# Altium PCB AMP.PcbDoc (part 3 of 5) (continued)
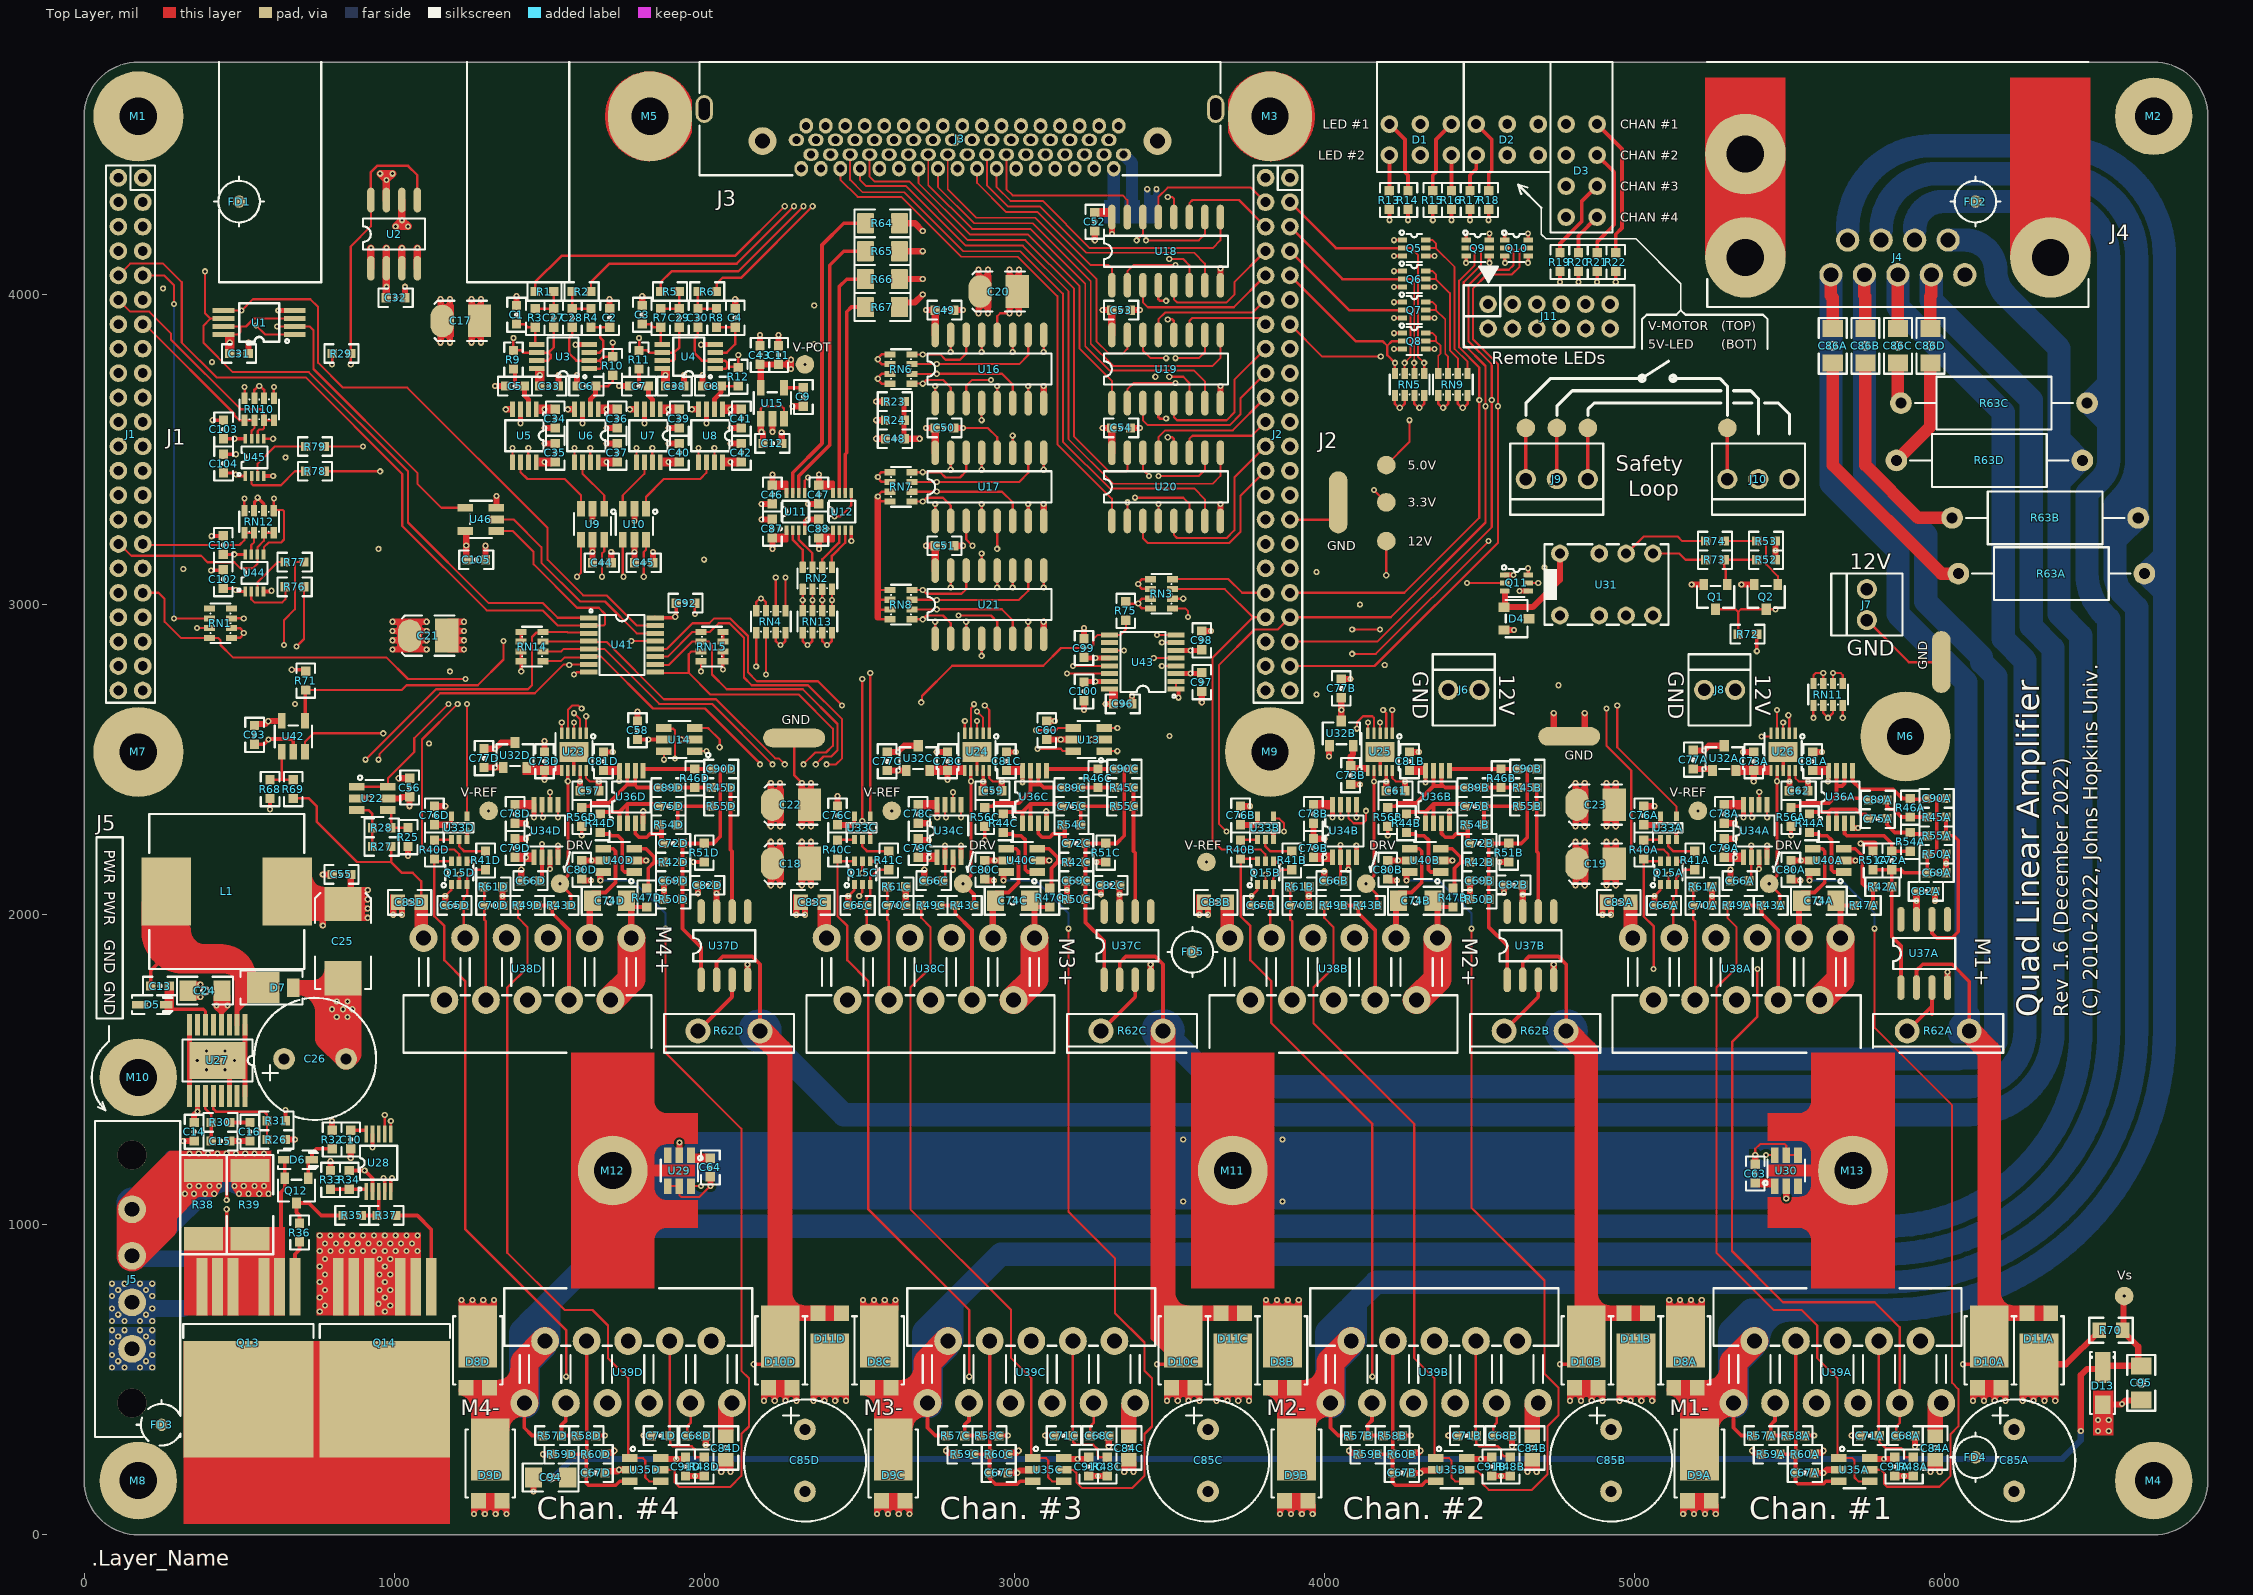
[diagram p0: Top Layer view]
## Nets (pads, with @x,y where several pads share a name; then routed paths per layer and width w, separated by ;. In a path a pad name is that pad's centre, name@x,y a point inside that pad or via, vN(x,y) a via of type N, cw(c..) or ccw(c..) an arc to the next point about the centre after c; other vN are vias at no path point) (continued)
  Top Layer w24: U2.1@925,4085 v1(925,4150) ; U2.3@1025,4085 v1(1025,4150) ; U2.4@1075,4085 v1(1075,4150)
  Top Layer w30: 740,1775 ccw(c740,1825) C25.2@789.73,1819.77
  Top Layer w40: 1820,950 cw(c1880,950) 1880,1010 ; 1820,1120 ccw(c1880,1120) 1880,1060 ; 1820,1220 cw(c1880,1220) 1880,1280 ; 1820,1400 ccw(c1880,1400) 1880,1340 ; 5530,1010 cw(c5530,950) 5590,950 ; 5530,1070 ccw(c5530,1130) 5590,1130 ; 5530,1290 cw(c5530,1230) 5590,1230 ; 5530,1340 ccw(c5530,1400) 5590,1400
  Top Layer w50: D7.2@690,1765 cw(c690,1685) 770,1685
  Top Layer w70: 780,1670 780,1600 C26.2@845,1535 860,1550 860,1670
  MidLayer1 w10: 4455.63,3969.37 J11.1@4528.15,3969.37 4528.15,4041.89
  MidLayer1 w12: 4973.4,2901.65 4973.4,3028.97
  MidLayer1 w20: 3335,3066.5 3638.5,3066.5 3740,2965 ; v1(3501.03,2576.03) 3688.53,2388.53 ccw(c3825,2525) 3961.47,2388.53 4097.94,2525 U25.11@4180,2525
  Bottom Layer w10: 5407.5,1207.15 ccw(c5425,1225) 5450,1225 ccw(c5425,1225) 5407.5,1242.85 ; 1945,1265 ccw(c1920,1265) 1945,1265 ; 2005,1105 cw(c1990,1125) 2005,1145 cw(c2020,1125) 2045,1125 cw(c2020,1125) 2005,1105 ; 2015,1215 ccw(c1990,1215) 2015,1215 ; 5445,1135 ccw(c5420,1135) 5445,1135 ; 5515,1085 ccw(c5490,1085) 5515,1085
  Bottom Layer w20: J5.2@155,750 176.65,750 196.65,730 v1(220,730) ; 3429,4300 3429,4325 ; v1(3429,4340) 3429,4325 ; 3459,4300 v1(3459,4340) ; 3459,4325 cw(c3444,4325) 3429,4325
  Bottom Layer w54: v1(220,730) D12.2@320,730
  other v1: 6495,335 6530,335 6495,370 6530,370 90,540 130,540 180,540 220,540 110,560 200,560 90,580 220,580 90,620 220,620 110,640 200,640 90,660 130,660 180,660 220,660 90,690 130,690 180,690 220,690 110,710 200,710 90,730 90,770 220,770 110,790 200,790 90,810 130,810 180,810 220,810 815,1670 850,1670 800,1695 835,1695 865,1695 815,1720 850,1720 2650,2060 3950,2060 5250,2060 2802.5,2145 5722,2280 1325,2475 2246.49,2870 2333.5,2870 515,2908.5 5455,3175 490,3485 1360,3630 1560,3630 1760,3630 1960,3630 4243.5,3635 3455,3735
HOME1: J3.17 RN6.5 U16.2 | length 963.2
  Top Layer w7: RN6.5@2670.5,3712.76 v1(2705,3712.76) 2717.24,3725 2770,3725 2795,3700 U16.2@2795,3650
  MidLayer1 w6: v1(2705,3712.76) 2665,3752.76 2665,4254.29 J3.17@2817.13,4406.42
HOME2: J3.18 RN6.6 U16.6 | length 1215.3
  Top Layer w7: RN6.6@2670.5,3744.25 2670.62,3744.38 2749.88,3744.38 v1(2750,3744.5) 2960.5,3744.5 2995,3710 U16.6@2995,3650
  MidLayer1 w6: v1(2750,3744.5) 2749.75,3744.25 2725.75,3744.25 2685,3785 2685,4216.38 2848.62,4380 J3.18@2848.62,4451.69
HOME3: J3.51 RN6.7 U16.10 | length 2833.5
  Top Layer w7: RN6.7@2670.5,3775.75 v1(2750,3775.75) 3015.75,3775.75 3045,3805 U16.10@3045,3870
  MidLayer1 w6: v1(2750,3775.75) 2750,3815 2770,3835 3465,3835 3552,3922 3552,4495 ccw(c3462,4495) 3525.64,4558.64 3470.64,4613.64 ccw(c3407,4550) 3407,4640 2874.02,4640 2801.38,4567.36 J3.51@2801.38,4498.94
HOME4: J3.52 RN6.8 U16.14 | length 2523.8
  Top Layer w7: RN6.8@2670.5,3807.24 v1(2705,3807.24) 2761.38,3807.24 2778.62,3790 2825,3790 2845,3810 U16.14@2845,3870
  MidLayer1 w6: v1(2705,3807.24) 2752.76,3855 3460,3855 3540,3935 3540,4495 ccw(c3462,4495) 3517.15,4550.15 3462.15,4605.15 ccw(c3407,4550) 3407,4628 2888,4628 2832.87,4572.87 J3.52@2832.87,4544.21
L1A: J10.1 pad.0@5300,3570 R73.1 U31.5 | length 799.9
  Top Layer w7: U31.5@5060,3165 5145,3165 5165,3145 R73.1@5230,3145
  Top Layer w12: J10.1@5300,3405 pad.0@5300,3570
  MidLayer1 w12: U31.5@5060,3165 5060,3365 5100,3405 J10.1@5300,3405
L1B: J9.1 pad.0@4650,3570 R74.1 U31.6 | length 949.1
  Top Layer w7: U31.6@4960,3165 4960,3170 U31.6@4964.2,3174.2 ; U31.6@4973.4,3165 4975,3165 5030,3220 5140,3220 5155,3205 R74.1@5230,3205
  Top Layer w12: J9.1@4650,3405 pad.0@4650,3570
  MidLayer1 w12: J9.1@4650,3405 4740,3315 4930,3315 4973.4,3271.6 U31.6@4973.4,3166.6 ; U31.6@4973.4,3165 U31.6@4973.4,3166.6 ; U31.6@4975,3165 U31.6@4973.4,3166.6
L2: J9.2 J10.2 pad.0@4750,3570 | length 914.4
  Top Layer w12: J9.2@4750,3405 pad.0@4750,3570
  MidLayer1 w12: J9.2@4750,3405 4810,3345 5000,3345 5120,3465 5340,3465 J10.2@5400,3405
L3: J9.3 J10.3 pad.0@4850,3570 | length 885.4
  Top Layer w12: J9.3@4850,3405 pad.0@4850,3570
  MidLayer1 w12: J9.3@4850,3405 5020,3405 5105,3490 5415,3490 J10.3@5500,3405
LED1-GRN: J2.3 J11.3 Q5.2 RN5.5 | length 1284.3
  Top Layer w6: Q5.2@4252.5,4150 4280,4150 4302,4128 4302,3800.24 v1(4322.24,3780)
  Top Layer w7: RN5.5@4322.24,3745.5 v1(4322.24,3780)
  Top Layer w8: J2.3@3889.37,4298.03 4037.4,4150 Q5.2@4252.5,4150
  MidLayer1 w6: v1(4322.24,3780) 4498.26,3780 4568.26,3850 4568.26,3930.74 J11.3@4606.89,3969.37
LED1-RED: J2.5 J11.4 Q6.2 RN5.6 | length 1169.2
  Top Layer w6: Q6.2@4252.5,4050 4280,4050 4290,4040 v1(4290,3780)
  Top Layer w7: RN5.6@4290,3746.25 v1(4290,3780)
  Top Layer w8: J2.5@3889.37,4219.29 4058.66,4050 Q6.2@4252.5,4050
  MidLayer1 w6: v1(4290,3780) 4310,3760 4515,3760 4605,3850 J11.4@4605,3890
LED2-GRN: J2.7 J11.5 Q7.2 RN5.7 | length 1259.2
  Top Layer w6: Q7.2@4252.5,3950 4270,3950 4278,3942 4278,3798.75 v1(4259.25,3780)
  Top Layer w7: RN5.7@4259.25,3745.5 v1(4259.25,3780)
  Top Layer w8: J2.7@3889.37,4140.55 4079.92,3950 Q7.2@4252.5,3950
  MidLayer1 w6: v1(4259.25,3780) 4299.25,3740 4535,3740 4645,3850 4645,3928.74 J11.5@4685.63,3969.37
LED2-RED: J2.9 J11.6 Q8.2 RN5.8 | length 1140.2
  Top Layer w8: J2.9@3889.37,4061.81 4101.18,3850 4188,3850 4203,3835 ; RN5.8@4227.76,3745.5 v1(4227.76,3780) 4203,3804.76 4203,3835 ; Q8.2@4252.5,3850 4218,3850 4203,3835
  MidLayer1 w6: v1(4227.76,3780) 4287.76,3720 4555.63,3720 4685.63,3850 J11.6@4685.63,3890.63
LIM-H1: J2.17 U16.3 | length 1182.5
  Top Layer w7: U16.3@2845,3650 2845,3705 2865,3725 v1(2925,3725)
  MidLayer1 w6: v1(2925,3725) 2975,3725 3015,3685 3570,3685 3671.22,3786.22 3850,3786.22 J2.17@3889.37,3746.85
LIM-H2: J2.19 U16.5 | length 1049.8
  Top Layer w7: U16.5@2945,3650 v1(2945,3705)
  MidLayer1 w6: v1(2945,3705) 2985,3665 3080,3665 3115,3665 3670,3665 3712.48,3707.48 3850,3707.48 J2.19@3889.37,3668.11
LIM-H3: J2.21 U16.11 | length 1246.3
  Top Layer w7: v1(2995,3815) U16.11@2995,3870
  MidLayer1 w6: v1(2995,3815) 2975,3815 2905,3745 2905,3705 2965,3645 3680,3645 3696.26,3628.74 3850,3628.74 J2.21@3889.37,3589.37
LIM-H4: J2.23 U16.13 | length 1252.8
  Top Layer w7: v1(2895,3815) U16.13@2895,3870
  MidLayer1 w6: v1(2895,3815) 2895,3765 2890,3760 2890,3695 2960,3625 3635,3625 3710,3550 3850,3550 J2.23@3889.37,3510.63
LIM-N1: J2.25 U17.11 | length 996.2
  Top Layer w7: U17.11@2995,3490 v1(2995,3545)
  MidLayer1 w6: v1(2995,3545) 3455,3545 3528.74,3471.26 3850,3471.26 J2.25@3889.37,3431.89
LIM-N2: J2.28 U17.13 | length 1021.1
  Top Layer w7: v1(2895,3435) U17.13@2895,3490
  MidLayer1 w6: v1(2895,3435) 2915,3455 3708.78,3455 J2.28@3810.63,3353.15
LIM-N3: J2.27 U21.5 | length 1590.2
  Top Layer w7: v1(2820,2965) 2925,2965 2945,2945 U21.5@2945,2890
  MidLayer1 w6: v1(2820,2965) 2820,3150 2800,3170 2800,3210 2830,3240 3726.72,3240 3800.5,3313.78 3850,3313.78 J2.27@3889.37,3353.15
LIM-N4: J2.30 U21.3 | length 1348.9
  Top Layer w7: U21.3@2845,2890 v1(2845,2945)
  MidLayer1 w6: v1(2845,2945) 2845,3150 2815,3180 2815,3200 2835,3220 3748.03,3220 3802.44,3274.41 J2.30@3810.63,3274.41
LIM-P1: J2.31 U17.3 | length 1147.6
  Top Layer w7: U17.3@2845,3270 2845,3210 v1(2865,3190)
  MidLayer1 w6: v1(2865,3190) 2925,3190 2935,3200 3760,3200 3795.04,3235.04 3850,3235.04 J2.31@3889.37,3195.67
LIM-P2: J2.32 U17.5 | length 962.1
  Top Layer w7: v1(2945,3180) U17.5@2945,3270
  MidLayer1 w6: v1(2945,3180) 3764.33,3180 3780,3195.67 J2.32@3810.63,3195.67
LIM-P3: J2.33 U21.13 | length 1069.3
  Top Layer w7: U21.13@2895,3110 v1(2895,3165)
  MidLayer1 w6: v1(2895,3165) 2921.3,3165 2930,3156.3 3850,3156.3 J2.33@3889.37,3116.93
LIM-P4: J2.34 U21.11 | length 896.3
  Top Layer w7: v1(2995,3055) U21.11@2995,3110
  MidLayer1 w6: v1(2995,3055) 3056.93,3116.93 J2.34@3810.63,3116.93
MISO1: J1.3 U1.2 U46.4 | length 1551.7
  Top Layer w7: v1(622.2,3897.2) U1.2@680,3897.2 727.8,3897.2 740,3885 740,3760 1075,3425 1075,3390 1152.5,3312.5 U46.4@1230,3312.5
  MidLayer1 w6: J1.3@189.37,4298.03 236.97,4298.03 622.2,3912.8 v1(622.2,3897.2)
MISO-C1: U13.3 U34A.6 | length 2399
  Top Layer w7: U13.3@3290,2602.5 v1(3332.5,2602.5) ; U34A.6@5402.8,2355 v1(5402.8,2396)
  MidLayer1 w6: v1(3332.5,2602.5) 3332.5,2567.5 3663,2237 3888.8,2237 4008.8,2357 4252,2357 4300,2405 5365,2405 5374,2396 v1(5402.8,2396)
MISO-C1/3: J1.27 U13.4 | length 3363.3
  Top Layer w7: v1(3070,2595) 3135,2595 3142.5,2602.5 U13.4@3190,2602.5
  MidLayer1 w6: J1.27@189.37,3353.15 356.85,3353.15 1119,2591 1510.97,2591 1516.97,2585 1780,2585 1830,2635 2400,2635 2425,2610 2825,2610 2845,2590 2975,2590 2980,2595 v1(3070,2595)
MISO-C2: U13.1 U34B.6 | length 1165.4
  Top Layer w7: U13.1@3290,2527.5 v1(3332.5,2527.5) ; U34B.6@4077.8,2355 4077.8,2312.2 4095,2295 4125,2295 4135,2305 v1(4135,2335)
  MidLayer1 w6: v1(3332.5,2527.5) 3352.5,2527.5 3655,2225 3893.77,2225 4013.77,2345 4125,2345 v1(4135,2335)
MISO-C2/3: J1.28 U13.6 | length 3460.3
  Top Layer w7: v1(3075,2535) 3150,2535 3157.5,2527.5 U13.6@3190,2527.5
  MidLayer1 w6: J1.28@110.63,3353.15 150,3313.78 369.25,3313.78 1104.03,2579 1506,2579 1512,2573 1788,2573 1835,2620 2395,2620 2420,2595 2820,2595 2840,2575 3035,2575 v1(3075,2535)
MISO-C3: U14.3 U34C.6 | length 973.4
  Top Layer w7: U14.3@1970,2602.5 2012.5,2602.5 2014.98,2600.02 2050,2565 v1(2050,2540) ; U34C.6@2802.8,2355 v1(2802.8,2395)
  MidLayer1 w6: v1(2050,2540) 2415,2540 2560,2395 v1(2802.8,2395)
MISO-C3/3: J1.29 U14.4 | length 2176.9
  Top Layer w7: U14.4@1870,2602.5 1872.5,2600 1900,2600 1906,2594 v1(1906,2503.38)
  MidLayer1 w6: J1.29@189.37,3274.41 330.59,3274.41 1089,2516 1559,2516 1569,2506 1821,2506 1834,2519 1890.38,2519 v1(1906,2503.38)
MISO-C4: U14.1 U34D.6 | length 657.6
  Top Layer w7: U34D.6@1502.8,2355 v1(1502.8,2395) ; U14.1@1970,2527.5 v1(2007.5,2527.5)
  MidLayer1 w6: v1(1502.8,2395) 1910,2395 2007.5,2492.5 v1(2007.5,2527.5)
MISO-C4/3: J1.30 U14.6 | length 2112.6
  Top Layer w7: v1(1870,2500) U14.6@1870,2527.5
  MidLayer1 w6: J1.30@110.63,3274.41 150,3235.04 344.96,3235.04 1086,2494 1834,2494 1840,2500 v1(1870,2500)
MISO-P1: J1.18 U9.4 | length 1876.6
  Top Layer w7: v1(1590,3090) 1602.5,3102.5 U9.4@1602.5,3210
  MidLayer1 w6: J1.18@110.63,3746.85 150,3707.48 272.52,3707.48 330,3650 590,3650 1150,3090 v1(1590,3090)
MISO-P2: J1.17 U10.4 | length 1959.3
  Top Layer w7: v1@1737.5,3090 U10.4@1737.5,3210
  MidLayer1 w6: J1.17@189.37,3746.85 268.15,3746.85 350,3665 605,3665 1160,3110 1605,3110 1645,3070 1720,3070 v1(1740,3090)
MISO-P3: J1.16 U9.6 | length 1987.2
  Top Layer w7: v1(1670,3090) 1670,3165 1677.5,3172.5 U9.6@1677.5,3210
  MidLayer1 w6: J1.16@110.63,3825.59 150,3786.22 263.78,3786.22 370,3680 620,3680 1170,3130 1630,3130 v1(1670,3090)
MISO-P4: J1.15 U10.6 | length 2043.4
  Top Layer w7: v1(1805,3090) 1805,3170 1812.5,3177.5 U10.6@1812.5,3210
  MidLayer1 w6: J1.15@189.37,3825.59 259.41,3825.59 330,3755 595,3755 1200,3150 1745,3150 v1(1805,3090)
MOSI: J1.23 R75.1 U23.2 U43.9 | length 3789.3
  Top Layer w7: v1(1580,2650) 1599.69,2630.32 U23.2@1599.69,2585 ; v1(2700,2685) 2702.49,2687.49 2702.49,2705.49 2800,2803 3093.88,2803 3150.88,2860 3245,2860 3255,2870 3255,2888.4 3269.1,2902.5 U43.9@3307.75,2902.5 3342.5,2902.5 3360,2920 R75.1@3360,2950
  MidLayer1 w6: J1.23@189.37,3510.63 294.37,3510.63 1145,2660 1570,2660 v1(1580,2650)
  MidLayer1 w7: v1(1580,2650) 1580,2680 1595,2695 2686.48,2695 2696.48,2685 v1(2700,2685)
MOSI1: J1.4 U1.5 U41.15 | length 2576.5
  Top Layer w7: U1.5@450,3948.39 v1(507.8,3948.39) 544.41,3985 730,3985 755,3960 755,3780 835,3700 1042.5,3700 1495,3247.5 1495,3145 1610,3030 1685,3030 1782.5,2932.5 U41.15@1842.25,2932.5
  MidLayer1 w6: J1.4@110.63,4298.03 150,4258.66 241.34,4258.66 507.8,3992.2 v1(507.8,3948.39)
MOSI-1/2: U25.1 U26.2 | length 1442.3
  Top Layer w7: U25.1@4219.37,2585 v1(4219.37,2660) ; v1(5496.57,2643.43) 5496.57,2639.92 5499.68,2636.8 U26.2@5499.68,2585
  MidLayer1 w6: v1(4219.37,2660) 4264.37,2615 5440,2615 5466,2641 5494.13,2641 v1(5496.57,2643.43)
MOSI-2/3: U24.1 U25.2 | length 1703.8
  Top Layer w7: v1(2905,2675) 2919.37,2660.63 U24.1@2919.37,2585 ; v1(4190,2660) 4199.68,2650.32 U25.2@4199.68,2585
  MidLayer1 w6: v1(2905,2675) 2925,2675 3140,2890 3255.36,2890 3286.86,2921.5 3526.35,2921.5 3590,2857.85 3590,2815 3732.5,2672.5 4027.5,2672.5 4037.5,2682.5 4167.5,2682.5 v1(4190,2660)
MOSI-3/4: U23.1 U24.2 | length 1424.4
  Top Layer w7: U23.1@1619.37,2585 v1(1619.37,2640) ; v1(2880,2655) 2899.68,2635.32 U24.2@2899.68,2585
  MidLayer1 w6: v1(1619.37,2640) 1659.37,2680 2410,2680 2437.5,2652.5 2812.5,2652.5 2817,2657 2878,2657 v1(2880,2655)
MOTOR1: C86A.1 D10A.3 D11A.1 D11A.2 J4.1 R58A.1 R62A.1 U37A.2 | length 7856.4
  Top Layer w12: R58A.1@5550,320 v1(5580,320) ; U37A.2@5910,1765 5910,1820 5930,1840 6025,1840 6080,1785 R62A.1@6080,1600 ; v1(6060,550) D10A.3@6120,550
  Top Layer w40: J4.1@5634,4048 5634,3996 5640,3990 C86A.1@5640,3890 ; 6162.5,780 ccw(c6222.5,780) 6222.5,720
  Top Layer w75: R62A.1@6080,1625 6145,1560 D10A.3@6145,640
  MidLayer1 w12: v1(5580,320) 5605,345 6010,345 6060,395 v1(6060,550)
  MidLayer1 w75: J4.1@5634,4064 5634,3511 5850,3295 5850,2970 6080,2740 R62A.1@6080,1625
  Bottom Layer w40: R62A.1@6080,1604.66 6034.32,1604.66 cw(c6080,1625) 6078.09,1674.96 cw(c6080,1625) 6080,1675
  Bottom Layer w75: J4.1@5634,4064 5634,3391 5850,3175 5850,2970 6070,2750 6070,1685 6078.09,1676.91 6078.09,1674.96 6078.09,1626.91 R62A.1@6080,1625
MOTOR2: C86B.1 D10B.3 D11B.1 D11B.2 J4.2 R58B.1 R62B.1 U37B.2 | length 10953.6
  Top Layer w12: R58B.1@4250,320 v1(4280,320) ; U37B.2@4640,1790 4640,1845 4660,1865 4755,1865 4780,1840 R62B.1@4780,1625 ; v1(4760,550) D10B.3@4820,550
  Top Layer w40: 4862.5,780 ccw(c4922.5,780) 4922.5,720 ; J4.2@5742,4048 5742,3998 5745,3995 C86B.1@5745,3890
  Top Layer w75: R62B.1@4780,1625 4845,1560 D10B.3@4845,640
  MidLayer1 w12: v1(4280,320) 4305,345 4710,345 4760,395 v1(4760,550)
  MidLayer1 w75: R62B.1@4780,1625 4870,1535 6080,1535 ccw(c6080,1625) 6170,1625 6170,2780 5940,3010 5940,3740 5742,3938 J4.2@5742,4064
  Bottom Layer w40: 4815.36,1589.64 cw(c4780,1625) 4830,1625 cw(c4780,1625) 4815.36,1589.64
  Bottom Layer w75: R62B.1@4780,1625 4815.36,1589.64 4870,1535 6044.38,1535 ; J4.2@5742,4064 5742,3423 5940,3225 5940,3010 6120,2830 6120,2814.55 6166,2768.55 6166,1589.38 6115.62,1539 6044.38,1539
MOTOR3: C86C.1 D10C.3 D11C.1 D11C.2 J4.3 R58C.1 R62C.1 U37C.2 | length 13930.7
  Top Layer w12: R58C.1@2950,320 v1(2980,320) ; U37C.2@3340,1790 3340,1845 3360,1865 3455,1865 3480,1840 R62C.1@3480,1625 ; v1(3460,550) D10C.3@3520,550
  Top Layer w20: 3450,635 D10C.3@3495,590 ; 3465,645 D10C.3@3510,600
  Top Layer w40: 3500,780 ccw(c3560,780) D10C.3@3560,720 ; C86C.1@5850,3890 J4.3@5850,4048
  Top Layer w80: 3480,705 R62C.1@3480,1625
  MidLayer1 w12: v1(2980,320) 3005,345 3410,345 3460,395 v1(3460,550)
  MidLayer1 w75: R62C.1@3480,1625 3660,1445 6080,1445 ccw(c6080,1625) 6260,1625 6260,2820 6190,2890 6190,3620 5850,3960 J4.3@5850,4064
  Bottom Layer w40: 3515.36,1589.64 cw(c3480,1625) 3530,1625 cw(c3480,1625) 3515.36,1589.64
  Bottom Layer w75: R62C.1@3480,1625 3515.36,1589.64 3660,1445 6080,1445 ccw(c6080,1625) 6260,1625 6260,2820 6190,2890 6190,3620 5850,3960 J4.3@5850,4064
MOTOR4: C86D.1 D10D.3 D11D.1 D11D.2 J4.4 R58D.1 R62D.1 U37D.2 | length 16838.9
  Top Layer w12: R58D.1@1650,320 v1(1680,320) ; U37D.2@2040,1790 2040,1845 2060,1865 2155,1865 2180,1840 R62D.1@2180,1625 ; v1(2160,550) D10D.3@2220,550
  Top Layer w40: 2265,780 ccw(c2325,780) 2325,720 ; C86D.1@5955,3890 5955,3995 5958,3998 J4.4@5958,4048
  Top Layer w80: R62D.1@2180,1625 2245,1560 D10D.3@2245,640
  MidLayer1 w12: v1(1680,320) 1705,345 2110,345 2160,395 v1(2160,550)
  MidLayer1 w75: R62D.1@2180,1625 2450,1355 6080,1355 ccw(c6080,1625) 6350,1625 6350,2860 6280,2930 6280,3660 5958,3982 J4.4@5958,4064
  Bottom Layer w40: 2215.36,1589.64 cw(c2180,1625) 2230,1625 cw(c2180,1625) 2215.36,1589.64
  Bottom Layer w75: R62D.1@2180,1625 2215.36,1589.64 2450,1355 6080,1355 ccw(c6080,1625) 6350,1625 6350,2860 6280,2930 6280,3660 5958,3982 J4.4@5958,4064
MV-FB: R71.2 U41.13 U42.4 | length 1328.4
  Top Layer w7: R71.2@715,2725 1025,2725 1040,2740 1269.5,2740 1352.5,2823 v1(1352.5,2882.5) ; v1(1765,2882.5) U41.13@1842.25,2882.5
  Top Layer w12: U42.4@712.5,2625 713.75,2626.25 713.75,2723.75 R71.2@715,2725
  MidLayer1 w7: v1(1352.5,2882.5) v1(1765,2882.5)
MV-GOOD: J2.13 J11.2 Q11.2 RN4.1 U22.1 U22.6 | length 5788.9
  Top Layer w7: U22.1@880,2412.5 U22.6@980,2412.5 980,2440 1065,2525 1065,2569.04 1175,2679.04 v1(1175,2680) ; v1(2167.76,2800.75) RN4.1@2167.76,2909.5 ; J2.13@3889.37,3904.33 3993.7,3800 v1(4182.24,3800) ; v1(4460,3070) Q11.2@4582.5,3070
  MidLayer1 w6: v1(1175,2680) 1175,2750 1210,2785 1270,2785 1303,2752 2119.01,2752 v1(2167.76,2800.75) 2182.01,2815 2808.03,2815 3097.96,3104.93 3730.07,3104.93 3757.44,3077.56 3930,3077.56 3940,3087.56 ; J2.13@3889.37,3904.33 3940,3853.7 3940,3087.56 ; v1(4182.24,3800) 4437.52,3800 J11.2@4528.15,3890.63 ; v1(4460,3070) 3957.56,3070 3940,3087.56
NEGLIM1: J3.11 RN7.7 U17.10 | length 1549.2
  Top Layer w7: RN7.7@2670.5,3395.75 v1(2750,3395.75) 3015.75,3395.75 3045,3425 U17.10@3045,3490
  MidLayer1 w6: J3.11@2628.15,4406.42 2628.15,4330 2620,4321.85 2620,3475 2699.25,3395.75 v1(2750,3395.75)
NEGLIM2: J3.12 RN7.8 U17.14 | length 1305.3
  Top Layer w7: RN7.8@2670.5,3427.24 v1(2705,3427.24) 2761.38,3427.24 2778.62,3410 2825,3410 2845,3430 U17.14@2845,3490
  MidLayer1 w6: J3.12@2659.65,4451.69 2659.65,4320 2645,4305.35 2645,3487.24 v1(2705,3427.24)
NEGLIM3: J3.45 RN8.6 U21.6 | length 2959.3
  Top Layer w7: RN8.6@2670.5,2984.25 2670.87,2984.63 2749.63,2984.63 v1(2750,2985) 2960,2985 2995,2950 U21.6@2995,2890
  MidLayer1 w6: J3.45@2612.4,4498.94 2612.4,4582.4 2542.8,4652 2219,4652 ccw(c2219,4526) 2129.9,4615.1 2098.9,4584.1 ccw(c2188,4495) 2062,4495 2062,4333 2420,3975 2420,3335 2670,3085 2670,3035 2720,2985 v1(2750,2985)
NEGLIM4: J3.46 RN8.5 U21.2 | length 2765.9
  Top Layer w7: RN8.5@2670.5,2952.76 v1(2705,2952.76) 2717.24,2965 2770,2965 2795,2940 U21.2@2795,2890
  MidLayer1 w6: J3.46@2643.9,4544.21 2643.9,4586.1 2566,4664 2219,4664 ccw(c2219,4526) 2121.42,4623.58 2090.42,4592.58 ccw(c2188,4495) 2050,4495 2049.99,4325 2405,3969.99 2405,3330 2655,3080 2655,3002.76 v1(2705,2952.76) v1@2702.24,2952.76
NetC1_1: C1.1 R3.2 U3.5 | length 120.8
  Top Layer w8: C1.1@1395,3905 1420,3905 1430,3895 R3.2@1455,3895 U3.5@1455,3838.39
NetC2_1: C2.1 R4.2 U3.3 | length 184.2
  Top Layer w8: U3.3@1630,3812.8 1662.8,3812.8 1675,3825 1675,3850 1665,3860 1665,3895 ; R4.2@1635,3895 1665,3895 ; C2.1@1695,3895 1665,3895
NetC3_1: C3.1 R7.2 U4.5 | length 120.8
  Top Layer w8: C3.1@1800,3905 1825,3905 1835,3895 R7.2@1860,3895 U4.5@1860,3838.39
NetC4_1: C4.1 R8.2 U4.3 | length 191.3
  Top Layer w8: U4.3@2035,3812.8 2072.8,3812.8 2100,3840 C4.1@2100,3895 R8.2@2040,3895
NetC9_1: C9.1 U15.4 | length 57.5
  Top Layer w12: U15.4@2257.5,3700 C9.1@2315,3700
NetC10_1: C10.1 U28.10 | length 50
  Top Layer w12: C10.1@860,1305 U28.10@910,1305
NetC13_1: C13.1 D5.1 U27.6 | length 152.7
  Top Layer w10: 285,1695 385,1695 391.61,1688.39 U27.6@391.61,1645
NetC13_2: C13.2 D7.1 L1.1 U27.2 | length 1276.5
  Top Layer w12: C13.2@215,1770 215,1820 260,1865 265,1870
  Top Layer w16: U27.2@493.98,1645 493.98,1692.2 ; 493.98,1800 493.98,1692.2 ; 519.57,1765 519.57,1717.8 ; D7.1@534.57,1780 534.57,1732.8 519.57,1717.8 ; 493.98,1692.2 519.57,1717.8
  Top Layer w20: 505,1710 505,1765
  Top Layer w40: 456,1830 cw(c456,1780) 506,1780
  Top Layer w70: L1.1@220,2035 220,1945 ccw(c320,1945) 260,1865 ccw(c320,1945) 320,1845 485,1845 ; 310,1950 ccw(c390,1950) 390,1870 442,1870 cw(c442,1790) 522,1790
NetC15_1: C15.1 R30.2 U27.11 | length 152.6
  Top Layer w8: U27.11@391.61,1415 391.61,1373.39 410,1355 R30.2@410,1330
  Top Layer w12: C15.1@410,1270 R30.2@410,1330
NetC16_1: C16.1 R30.1 | length 65
  Top Layer w12: R30.1@470,1330 C16.1@535,1330
NetC27_1: C27.1 R1.2 R3.1 | length 110
  Top Layer w8: R3.1@1455,3955 C27.1@1515,3955 R1.2@1515,4005
NetC27_2: C27.2 pad.0@1385,3860 R9.1 U3.6 U3.7 | length 314.1
  Top Layer w8: pad.0@1385,3860 R9.1@1385,3820 1410,3820 1417.2,3812.8 U3.6@1460,3812.8 1497.8,3812.8 ; U3.7@1460,3787.2 1497.2,3787.2 1505,3795 1505,3805.59 1497.8,3812.8 ; C27.2@1515,3895 1515,3830 1497.8,3812.8
NetC28_1: C28.1 R2.2 R4.1 | length 110
  Top Layer w8: R2.2@1575,4005 C28.1@1575,3955 R4.1@1635,3955
NetC28_2: C28.2 pad.0@1705,3845 R10.1 U3.1 U3.2 | length 359.5
  Top Layer w8: C28.2@1575,3895 1575,3870 1565,3860 1565,3810 1587.8,3787.2 U3.2@1630,3787.2 1662.8,3787.2 ; U3.1@1630,3761.61 1665,3761.61 1670,3766.61 1670,3780 1662.8,3787.2 ; R10.1@1705,3795 R10.1@1705,3800 ; pad.0@1705,3845 R10.1@1705,3800 ; 1662.8,3787.2 1675.59,3800 R10.1@1705,3800
NetC29_1: C29.1 R5.2 R7.1 | length 110
  Top Layer w8: R7.1@1860,3955 C29.1@1920,3955 R5.2@1920,4005
NetC29_2: C29.2 pad.0@1790,3860 R11.1 U4.6 U4.7 | length 310.8
  Top Layer w8: pad.0@1790,3860 R11.1@1790,3820 1815,3820 1822.2,3812.8 U4.6@1865,3812.8 1902.8,3812.8 1920,3830 C29.2@1920,3895 ; U4.7@1865,3787.2 1900,3787.2 1905,3792.2 1905,3805.59 1897.8,3812.79
NetC30_1: C30.1 R6.2 R8.1 | length 110
  Top Layer w8: R6.2@1980,4005 C30.1@1980,3955 R8.1@2040,3955
NetC30_2: C30.2 pad.0@2110,3805 R12.1 U4.1 U4.2 | length 337.7
  Top Layer w8: C30.2@1980,3895 1980,3870 1970,3860 1970,3810 1992.8,3787.2 U4.2@2035,3787.2 2067.8,3787.2 2075,3780 2075,3766.61 ; U4.1@2035,3761.61 2070,3761.61 2075,3766.61 ; pad.0@2110,3805 R12.1@2110,3765 2108.39,3766.61 2075,3766.61
NetC65A_1: C65A.1 Q15A.3 R41A.1 U38A.9 | length 271.2
  Top Layer w8: U38A.9@5129,1925 5125,1929 C65A.1@5125,2030 5125,2055 5135.59,2065.59 Q15A.3@5135.59,2097.5 5135.59,2120.59 5160,2145 R41A.1@5195,2145
NetC65B_1: C65B.1 Q15B.3 R41B.1 U38B.9 | length 265.5
  Top Layer w8: U38B.9@3825,1929 C65B.1@3825,2030 3825,2055 3835.59,2065.59 Q15B.3@3835.59,2097.5 3835.59,2120.59 3860,2145 R41B.1@3895,2145
NetC65C_1: C65C.1 Q15C.3 R41C.1 U38C.9 | length 265.5
  Top Layer w8: U38C.9@2525,1929 C65C.1@2525,2030 2525,2055 2535.59,2065.59 Q15C.3@2535.59,2097.5 2535.59,2120.59 2560,2145 R41C.1@2595,2145
NetC65D_1: C65D.1 Q15D.3 R41D.1 U38D.9 | length 265.5
  Top Layer w8: U38D.9@1225,1929 C65D.1@1225,2030 1225,2055 1235.59,2065.59 Q15D.3@1235.59,2097.5 1235.59,2120.59 1260,2145 R41D.1@1295,2145
NetC66A_1: C66A.1 R56A.2 U34A.2 | length 284.8
  Top Layer w8: U34A.2@5377.2,2185 5377.2,2117.2 5375,2115 C66A.1@5380,2115
  Top Layer w12: U34A.2@5377.2,2185 v1(5377.2,2222.8) ; v1(5505,2255) R56A.2@5505,2285
  MidLayer1 w12: v1(5377.2,2222.8) 5409.41,2255 v1(5505,2255)
NetC66B_1: C66B.1 R56B.2 U34B.2 | length 312
  Top Layer w8: C66B.1@4055,2115 C66B.1@4060,2115
  Top Layer w10: U34B.2@4052.2,2185 4052.2,2117.8 C66B.1@4055,2115
  Top Layer w12: v1@4050,2225 4051.1,2223.9 4051.1,2186.1 U34B.2@4052.2,2185 ; v1(4205,2255) R56B.2@4205,2285
  MidLayer1 w12: v1(4052.5,2225) 4082.5,2255 v1(4205,2255)